# Altium PCB CPU_CARD.pcbdoc (part 7 of 10) (continued)
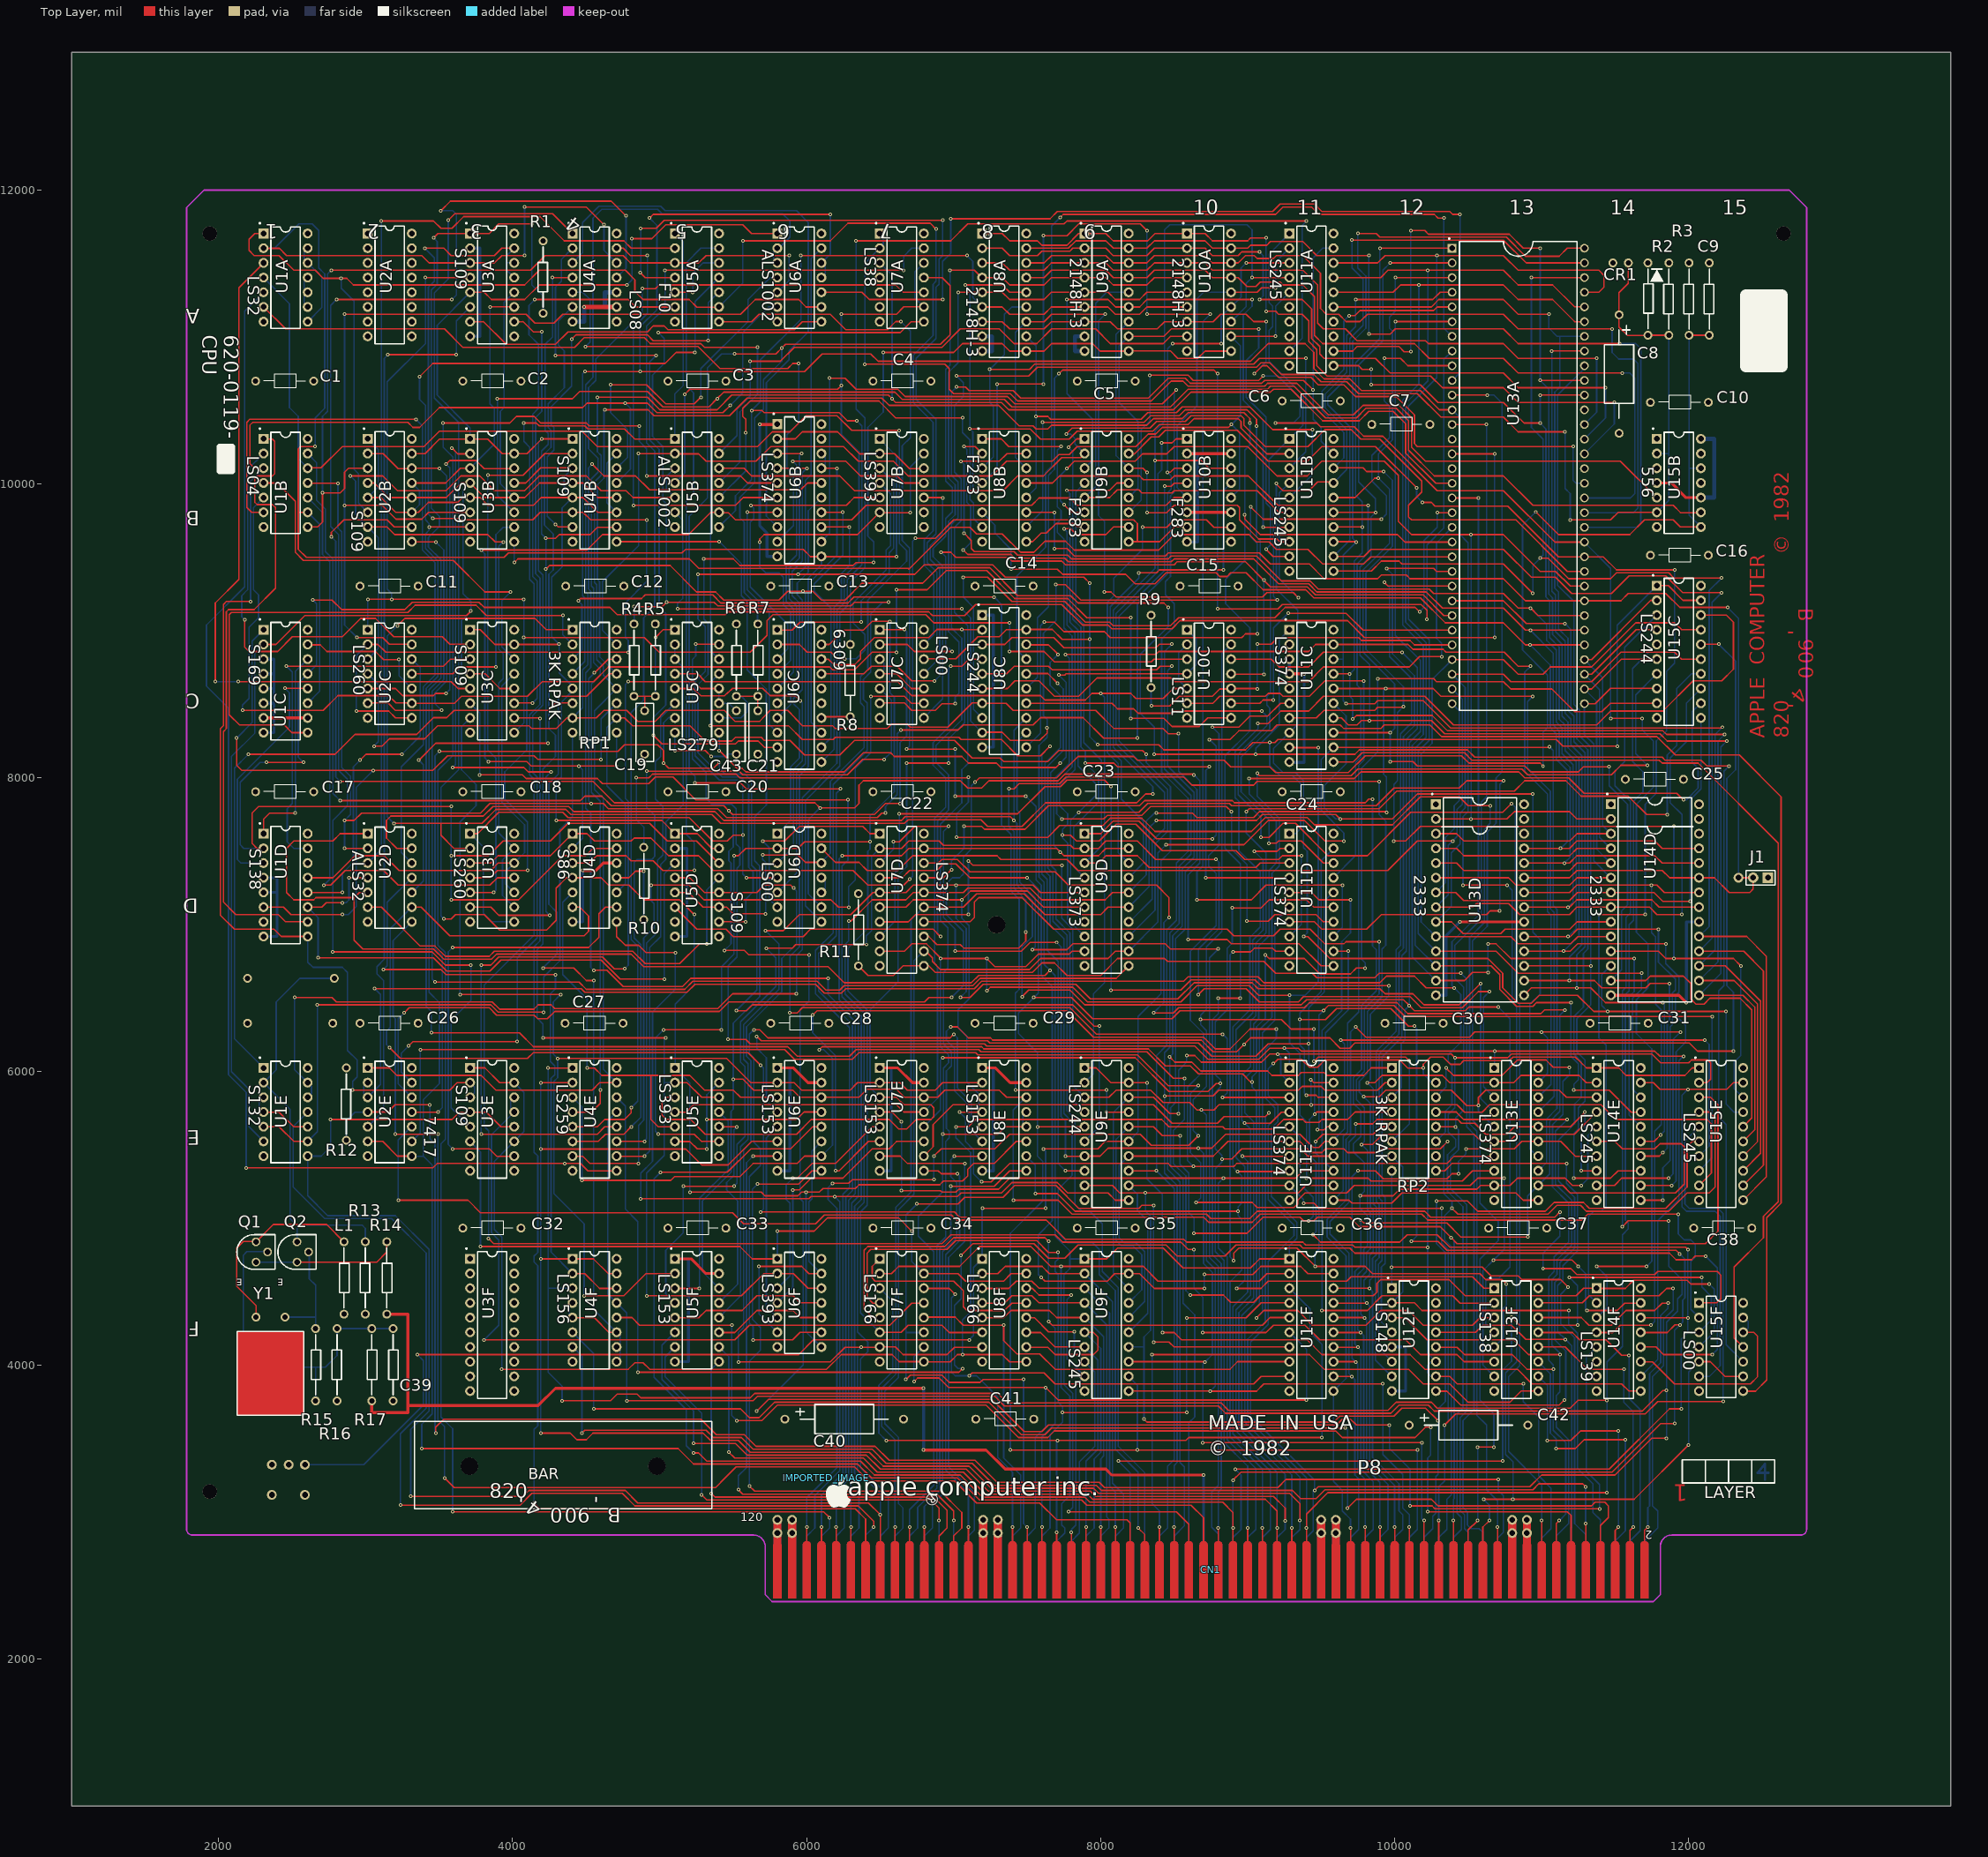
[diagram p0: Top Layer view]
## Nets (pads, with @x,y where several pads share a name; then routed paths per layer and width w, separated by ;. In a path a pad name is that pad's centre, name@x,y a point inside that pad or via, vN(x,y) a via of type N, cw(c..) or ccw(c..) an arc to the next point about the centre after c; other vN are vias at no path point) (continued)
  Bottom Layer w10: v1(6646.7,5187.2) v1(6646.7,5657.2) ; v1(8836.7,5272.2) 8801.7,5237.2 8801.7,4797.2 8861.7,4737.2 8861.7,3492.2 9056.7,3297.2 9056.7,2882.2 9001.92,2827.42 9001.92,2607.2 ; U11E.13@9585.62,5322.8 9531.7,5376.7 9531.7,6262.2 9686.7,6417.2 v1(9686.7,6817.2)
A10: CN1.56 U7E.12 U11D.15 U11E.14 | length 8781.5
  Top Layer w10: v1(6926.7,6092.2) 8236.7,6092.2 8466.7,5862.2 8731.7,5862.2 8786.7,5917.2 v1(8816.7,5917.2) ; v1(8826.7,5402.2) 8891.7,5402.2 8961.7,5472.2 9361.7,5472.2 9411.1,5422.8 U11E.14@9585.62,5422.8 ; v1(8896.7,7112.2) 9091.7,7112.2 9146.7,7167.2 9401.79,7167.2 9451.7,7117.29 U11D.15@9585.62,7117.29 ; v1(9001.7,2892.2) 9001.92,2891.98 9001.92,2607.2
  Bottom Layer w10: U7E.12@6798.23,5622.81 6911.7,5736.27 6911.7,6077.2 v1(6926.7,6092.2) ; v1(8896.7,7112.2) 8896.7,6872.2 8861.7,6837.2 8861.7,6417.2 8781.7,6337.2 8781.7,5977.2 8816.7,5942.2 v1(8816.7,5917.2) 8816.7,5892.2 8781.7,5857.2 8781.7,5472.2 8826.7,5427.2 v1(8826.7,5402.2) 8826.7,5382.2 8781.7,5337.2 8781.7,4772.2 8841.7,4712.2 8841.7,3472.2 9001.7,3312.2 v1(9001.7,2892.2)
A11: CN1.57 U6E.4 U11D.16 U11E.17 U14F.14 | length 15000.7
  Top Layer w10: v1(5661.7,6237.2) 5691.7,6207.2 7231.7,6207.2 7246.7,6192.2 8666.7,6192.2 8756.7,6102.2 9056.7,6102.2 9141.7,6187.2 v1(9416.7,6187.2) ; v1(8916.7,3292.2) 11461.7,3292.2 11871.7,3702.2 v1(11951.7,3702.2) ; v1(9446.7,4887.2) 9496.7,4837.2 10036.7,4837.2 10086.7,4887.2 10291.7,4887.2 10376.7,4802.2 11981.7,4802.2 v1(11996.7,4787.2) ; v1(9456.7,5707.2) 9472.3,5722.8 U11E.17@9585.62,5722.8 ; U14F.14@11676.17,4323.6 11677.57,4322.2 v1(11996.7,4322.2)
  Bottom Layer w10: v1(5661.7,6237.2) 5661.7,6157.2 5726.7,6092.2 5726.7,5797.5 U6E.4@5801.38,5722.81 ; 8901.91,2607.2 8901.91,2827.41 8956.7,2882.2 8956.7,3252.2 v1(8916.7,3292.2) ; v1(9446.7,4887.2) 9466.7,4907.2 9466.7,5382.2 9421.7,5427.2 9421.7,5672.2 v1(9456.7,5707.2) 9456.7,6017.2 9416.7,6057.2 v1(9416.7,6187.2) 9416.7,6432.2 9521.7,6537.2 9521.7,7157.2 9581.79,7217.29 U11D.16@9585.62,7217.29 ; v1(11951.7,3702.2) 11951.7,4177.2 11996.7,4222.2 v1(11996.7,4322.2) v1(11996.7,4787.2)
A12: CN1.58 U6E.12 U11D.19 U11E.18 U14F.13 | length 18664.7
  Top Layer w10: v1(5006.7,5312.2) 5461.7,5312.2 5621.7,5472.2 5891.7,5472.2 6042.3,5622.8 U6E.12@6101.38,5622.81 ; v1(5231.7,3402.2) 5266.7,3402.2 5321.7,3347.2 6366.7,3347.2 6461.7,3252.2 7046.7,3252.2 7196.7,3102.2 7891.7,3102.2 7926.7,3067.2 8831.7,3067.2 8901.7,2997.2 v1(8901.7,2892.2) 8901.91,2891.99 8901.91,2607.2 ; v1@8906.7,3217.2 v1(8901.7,3217.2) 8956.7,3272.2 11481.7,3272.2 11811.7,3602.2 v1(11906.7,3602.2) ; v1(9356.7,6352.2) 9531.7,6352.2 9606.7,6427.2 9976.7,6427.2 10096.7,6307.2 v1(10136.7,6307.2) ; v1(9401.7,5837.2) 9466.7,5837.2 9481.7,5822.2 U11E.18@9585.62,5822.8 ; v1(10116.7,4842.2) 10296.7,4842.2 10356.7,4782.2 11916.7,4782.2 v1(11941.7,4757.2) ; U14F.13@11676.17,4223.6 11677.57,4222.2 11856.7,4222.2 11908.71,4274.21 v1(11943.71,4274.21)
  Bottom Layer w10: v1(5006.7,5312.2) 4961.7,5267.2 4961.7,3917.2 5181.7,3697.2 5181.7,3452.2 v1(5231.7,3402.2) ; v1(8901.7,2892.2) v1(8901.7,3217.2) ; v1(9401.7,5837.2) 9386.7,5852.2 9386.7,6147.2 9356.7,6177.2 v1(9356.7,6352.2) 9356.7,6397.2 9501.7,6542.2 9501.7,7433.4 U11D.19@9585.62,7517.29 ; v1(10116.7,4842.2) 10151.7,4877.2 10151.7,6292.2 v1(10136.7,6307.2) ; v1(11906.7,3602.2) 11906.7,4237.2 v1(11943.71,4274.21) 11961.7,4292.2 11961.7,4442.2 11976.7,4457.2 11976.7,4722.2 v1(11941.7,4757.2)
A13: U5F.4 U7D.2 U9D.2 U13E.3 | length 10667.1
  Top Layer w10: v1(5161.7,5217.2) v1(5506.7,5217.2) ; v1(5726.7,6837.2) 5901.7,6837.2 5926.7,6862.2 v1(6406.7,6862.2) ; U7D.2@6498.23,7517.29 6646.7,7517.3 6696.6,7567.2 6901.7,7567.2 6931.7,7537.2 7796.7,7537.2 7816.7,7517.2 U9D.2@7891.92,7517.29 7986.7,7517.3 8036.6,7567.2 8251.7,7567.2 8376.7,7442.2 v1(8786.7,7442.2) ; v1(8666.7,6522.2) 8706.7,6562.2 8991.7,6562.2 9081.7,6472.2 9346.7,6472.2 9381.7,6507.2 10106.7,6507.2 10181.7,6432.2 10461.7,6432.2 10571.7,6542.2 v1(10646.7,6542.2)
  Bottom Layer w10: U5F.4@5104.53,4423.6 5041.7,4486.4 5041.7,4782.2 5161.7,4902.2 v1(5161.7,5217.2) ; v1(5506.7,5217.2) 5526.7,5237.2 5526.7,5502.2 5581.7,5557.2 5581.7,6032.2 5551.7,6062.2 5551.7,6337.2 5791.7,6577.2 5791.7,6772.2 v1(5726.7,6837.2) ; v1(6406.7,6862.2) 6406.7,6922.2 6441.7,6957.2 6441.7,7460.76 U7D.2@6498.23,7517.29 ; v1(8666.7,6522.2) 8666.7,6832.2 8806.7,6972.2 8806.7,7422.2 v1(8786.7,7442.2) ; v1(10646.7,6542.2) 10606.7,6502.2 10606.7,5895.4 U13E.3@10679.32,5822.8
A14: U5F.12 U7D.5 U9D.5 U13E.4 | length 10693.1
  Top Layer w10: v1(5721.7,6957.2) 5841.7,6957.2 5951.7,7067.2 6301.61,7067.2 6451.7,7217.29 U7D.5@6498.23,7217.29 ; U7D.5@6498.23,7217.29 6676.8,7217.3 6726.7,7267.2 v1(7017.8,7267.2) 7541.7,7267.2 7591.6,7217.3 U9D.5@7891.92,7217.29 ; v1(7046.7,6502.2) 7111.7,6502.2 7201.7,6592.2 7831.7,6592.2 7931.7,6492.2 8526.7,6492.2 8636.7,6602.2 9031.7,6602.2 9071.7,6562.2 9901.7,6562.2 9936.7,6527.2 10126.7,6527.2 10201.7,6452.2 10441.7,6452.2 v1(10586.7,6597.2)
  Bottom Layer w10: U5F.12@5404.53,4323.6 5551.7,4470.7 5551.7,5487.2 5601.7,5537.2 5601.7,6052.2 5571.7,6082.2 5571.7,6317.2 5811.7,6557.2 5811.7,6867.2 v1(5721.7,6957.2) ; v1(7017.8,7267.2) 7017.8,7041.1 7086.7,6972.2 7086.7,6542.2 v1(7046.7,6502.2) ; v1(10586.7,6597.2) 10586.7,6442.2 10586.7,5815.43 U13E.4@10679.32,5722.8
A15: U7D.6 U8E.3 U8E.4 U9D.6 U11C.6 U13E.7 | length 11156.8
  Top Layer w10: U7D.6@6498.23,7117.29 6676.8,7117.3 6726.7,7167.2 v1(7056.7,7167.2) 7116.7,7227.2 7501.7,7227.2 7611.6,7117.3 U9D.6@7891.92,7117.29 ; v1(7041.7,5722.2) U8E.4@7195.08,5722.81 ; v1(7191.7,5247.2) 7256.7,5247.2 7381.7,5372.2 8461.7,5372.2 8481.7,5352.2 v1(8631.7,5352.2) 8906.7,5352.2 8926.7,5372.2 10356.7,5372.2 10406.7,5422.2 U13E.7@10679.32,5422.8 ; v1(8761.7,8342.2) 8941.7,8342.2 9016.7,8417.2 9041.7,8417.2 9136.7,8417.2 9224.58,8505.08 U11C.6@9285.62,8505.08
  Bottom Layer w10: v1(7041.7,5722.2) 7081.7,5682.2 7081.7,5522.2 7136.7,5467.2 7136.7,5302.2 v1(7191.7,5247.2) ; v1(7056.7,7167.2) 7056.7,7042.2 7106.7,6992.2 7106.7,6492.2 7031.7,6417.2 7031.7,6297.2 7091.7,6237.2 7091.7,5926.2 U8E.3@7195.08,5822.81 7171.7,5799.41 7171.7,5747.2 7195.09,5723.81 U8E.4@7195.08,5722.81 ; v1(8631.7,5352.2) 8591.7,5392.2 8591.7,5892.2 8701.7,6002.2 8701.7,6257.2 8611.7,6347.2 8611.7,6817.2 8786.7,6992.2 8786.7,7347.2 8736.7,7397.2 8736.7,7467.2 8806.7,7537.2 8806.7,8297.2 v1(8761.7,8342.2)
A16: CN1.102 U7D.9 U8E.12 U8E.13 U9D.9 U11C.9 U13E.8 | length 13652.3
  Top Layer w10: U7D.9@6498.23,6817.29 6666.7,6817.2 6716.7,6867.2 6816.7,6867.2 6911.7,6772.2 v1(6911.7,6767.2) v1(7226.7,6767.2) 7281.7,6712.2 7491.7,6712.2 7576.7,6797.2 7786.7,6797.2 7806.7,6817.2 U9D.9@7891.92,6817.29 ; 6701.67,2607.2 v1(6701.7,2897.2) ; v1(6926.7,5572.2) 7301.7,5572.2 7351.7,5622.2 U8E.12@7495.08,5622.81 ; v1(7226.7,6547.2) 7251.7,6572.2 7811.7,6572.2 7911.7,6472.2 8546.7,6472.2 8656.7,6582.2 9011.7,6582.2 9076.7,6517.2 v1(9286.7,6517.2) ; U11C.9@9285.62,8205.08 9288.5,8202.2 v1(9481.7,8202.2) ; v1(9401.7,5272.2) 9821.7,5272.2 9841.7,5252.2 10461.7,5252.2 10531.7,5322.2 U13E.8@10679.32,5322.8
  Bottom Layer w10: v1(6701.7,2897.2) 6701.7,3017.2 6866.7,3182.2 6866.7,4772.2 6761.7,4877.2 6761.7,5012.2 6926.7,5177.2 v1(6926.7,5572.2) 6931.7,5572.2 6931.7,6022.2 6966.7,6057.2 6966.7,6112.2 6911.7,6167.2 v1(6911.7,6767.2) ; v1(7226.7,6547.2) v1(7226.7,6767.2) ; U8E.12@7495.08,5622.81 7495.09,5623.81 7471.7,5647.2 7471.7,5699.41 U8E.13@7495.08,5722.81 ; v1(9401.7,5272.2) 9401.7,5657.2 9356.7,5702.2 9356.7,6122.2 9286.7,6192.2 v1(9286.7,6517.2) 9391.7,6517.2 9481.7,6607.2 v1(9481.7,8202.2)
A17: CN1.103 U7D.12 U9D.12 U11C.12 U13E.13 | length 13241.3
  Top Layer w10: U7D.12@6798.23,6817.29 6811.6,6817.3 6856.7,6772.2 6856.7,6747.2 6911.7,6692.2 7516.7,6692.2 7591.7,6767.2 8051.6,6767.2 8101.7,6817.3 U9D.12@8191.92,6817.29 ; v1(8446.7,7542.2) 8976.7,7542.2 9141.7,7707.2 9386.7,7707.2 9526.7,7567.2 v1(9656.7,7567.2) ; U11C.12@9585.62,8205.08 11054.6,8205.1 v1(11056.7,8207.2)
  Bottom Layer w10: 6601.66,2607.2 6601.66,2837.16 6656.7,2892.2 6656.7,3027.2 6626.7,3057.2 6626.7,3507.2 6531.7,3602.2 6531.7,3822.2 6626.7,3917.2 6626.7,5057.2 6731.7,5162.2 6731.7,6752.2 6796.8,6817.3 U7D.12@6798.23,6817.29 ; U9D.12@8191.92,6817.29 8391.7,7017.1 8391.7,7487.2 v1(8446.7,7542.2) ; U11C.12@9585.62,8205.08 9501.7,8121.2 9501.7,7777.2 9656.7,7622.2 v1(9656.7,7567.2) ; U13E.13@10979.32,5322.8 11036.7,5380.2 11036.7,5677.2 11106.7,5747.2 11106.7,7102.2 11081.7,7127.2 11081.7,8182.2 v1(11056.7,8207.2)
A18: CN1.104 U7D.15 U9D.15 U11C.15 U13E.14 | length 12995.3
  Top Layer w10: 6601.66,2607.2 v1(6601.7,2897.2) v1(6601.7,2897.2) ; U7D.15@6798.23,7117.29 7066.8,7117.3 7156.7,7207.2 7481.7,7207.2 7621.7,7067.2 8001.7,7067.2 8051.8,7117.3 U9D.15@8191.92,7117.29 ; v1(8381.7,7707.2) 9061.7,7707.2 9101.7,7747.2 9601.7,7747.2 v1(9631.7,7717.2) 9986.7,7717.2 10156.7,7887.2 v1(10941.7,7887.2)
  Bottom Layer w10: v1(6601.7,2897.2) 6601.7,3492.2 6511.7,3582.2 6511.7,3842.2 6606.7,3937.2 6606.7,5072.2 6711.7,5177.2 6711.7,7030.8 U7D.15@6798.23,7117.29 ; U9D.15@8191.92,7117.29 8331.7,7257.1 8331.7,7657.2 v1(8381.7,7707.2) ; U11C.15@9585.62,8505.08 9671.7,8419 9671.7,8092.2 9521.7,7942.2 9521.7,7797.2 9601.7,7717.2 v1(9631.7,7717.2) ; v1(10941.7,7887.2) 10941.7,6947.2 10991.7,6897.2 10991.7,6527.2 10921.7,6457.2 10921.7,5472.21 10971.11,5422.8 U13E.14@10979.32,5422.8
A19: CN1.105 U7D.16 U9D.16 U11C.16 U13E.17 | length 14196.6
  Top Layer w10: v1(6286.7,7022.2) 6301.7,7022.2 6446.7,7167.2 6676.7,7167.2 6726.8,7217.3 ; U9D.16@8191.92,7217.29 8081.7,7217.2 8031.7,7167.2 7601.7,7167.2 7521.7,7247.2 7096.7,7247.2 7066.8,7217.3 U7D.16@6798.23,7217.29 ; v1(8381.7,7757.2) 8626.7,7757.2 8656.7,7727.2 9041.7,7727.2 9081.7,7767.2 9946.7,7767.2 v1(9946.7,7762.2) ; U11C.16@9585.62,8605.08 v1(9942.14,8605.08) 10263.82,8605.08 10316.7,8552.2 v1(10941.7,8552.2) ; 6726.8,7217.3 U7D.16@6798.23,7217.29 ; 6726.8,7217.3 U7D.16@6798.23,7217.29
  Bottom Layer w10: v1(6286.7,7022.2) 6286.7,6887.2 6262.8,6863.3 6262.8,6526.1 6391.7,6397.2 6391.7,5107.2 6346.7,5062.2 6346.7,4227.2 6416.7,4157.2 6416.7,4092.2 6366.7,4042.2 6366.7,3302.2 6556.7,3112.2 6556.7,2892.2 6501.65,2837.15 CN1.105@6501.59,2607.24 ; U9D.16@8191.92,7217.29 8311.7,7337.07 8311.7,7702.2 8366.7,7757.2 v1(8381.7,7757.2) ; v1(9942.14,8605.08) 9926.7,8589.7 9926.7,8022.2 9946.7,8002.2 v1(9946.7,7762.2) ; v1(10941.7,8552.2) 10906.7,8517.2 10906.7,8062.2 11061.7,7907.2 11061.7,7107.2 11086.7,7082.2 11086.7,5830.2 U13E.17@10979.32,5722.8
A20: CN1.110 U7D.19 U9D.19 U11C.19 U13E.18 | length 15137.6
  Top Layer w10: v1(6241.7,7467.2) 6646.61,7467.2 6696.7,7517.29 U7D.19@6798.23,7517.29 ; CN1.110@6301.58,2607.21 6301.62,2897.12 v1(6301.7,2897.2) ; U7D.19@6798.2,7517.2 7701.7,7517.2 v1(7726.7,7492.2) 7751.7,7467.2 7986.7,7467.2 8036.8,7517.3 U9D.19@8191.92,7517.29 ; v1(7761.7,8837.2) 8376.7,8837.2 8396.7,8857.2 9416.7,8857.2 ; 9156.7,8857.2 9416.7,8857.2 ; v1(10926.7,8757.2) 10841.7,8757.2 10746.7,8852.2 10351.7,8852.2 10331.7,8872.2 10126.7,8872.2 10093.82,8905.08 U11C.19@9585.62,8905.08 ; 9416.7,8857.2 9464.6,8905.1 ; 9416.7,8857.2 9464.6,8905.1 ; 9464.6,8905.1 U11C.19@9585.62,8905.08 ; 9464.6,8905.1 U11C.19@9585.62,8905.08
  Bottom Layer w10: v1(6241.7,7467.2) 6221.7,7447.2 6221.7,6487.2 6351.7,6357.2 6351.7,5147.2 6306.7,5102.2 6306.7,3202.2 6301.7,3197.2 v1(6301.7,2897.2) ; v1(7726.7,7492.2) 7681.7,7537.2 7681.7,7987.2 7786.7,8092.2 7786.7,8812.2 v1(7761.7,8837.2) ; v1(10926.7,8757.2) 10886.7,8717.2 10886.7,8042.2 11041.7,7887.2 11041.7,7087.2 11066.7,7062.2 11066.7,5910.2 U13E.18@10979.32,5822.8
AS: U2B.15 U2E.13 U3A.5 U3B.1 U3B.15 U4B.1 U6A.1 | length 10186.3
  Top Layer w10: v1(3291.7,6172.2) 3321.7,6202.2 v1(4031.7,6202.2) ; U2B.15@3313.99,10204.29 3403.78,10204.29 3501.7,10302.2 3708.73,10302.2 U3B.1@3710.83,10304.3 3712.92,10302.2 3831.7,10302.2 3929.6,10204.3 U3B.15@4010.83,10204.3 ; U3A.5@3710.83,11301.93 3806.7,11302.2 3856.7,11252.2 4081.7,11252.2 4181.7,11352.2 v1(4776.7,11352.2) ; U3B.15@4010.83,10204.3 4098.8,10204.3 v1(4198.8,10304.3) U4B.1@4407.68,10304.3 ; v1(4811.7,11667.2) 4946.7,11667.2 5041.7,11762.2 5566.7,11762.2 5626.98,11701.92 U6A.1@5801.38,11701.92
  Bottom Layer w10: v1(3291.7,6172.2) 3241.7,6122.2 3241.7,5995.1 U2E.13@3313.98,5922.8 ; U3B.1@3710.83,10304.3 3710.8,10378.1 3486.7,10602.2 3486.7,11077.8 U3A.5@3710.83,11301.93 ; v1(4031.7,6202.2) 4031.7,6772.2 4166.7,6907.2 4166.7,8002.2 4136.7,8032.2 4136.7,8422.2 4206.7,8492.2 4206.7,9377.2 4176.7,9407.2 4176.7,10282.2 v1(4198.8,10304.3) ; v1(4776.7,11352.2) 4811.7,11387.2 v1(4811.7,11667.2)
B+/L: U5B.8 U6D.8 U8A.6 U9A.6 U10A.6 | length 9451.2
  Top Layer w10: v1(5626.7,10497.2) 5696.7,10497.2 5711.7,10482.2 6221.7,10482.2 6276.7,10427.2 v1(6341.7,10427.2) ; v1(5961.7,11552.2) v1(7091.7,11552.2) ; U8A.6@7195.07,11201.92 7332,11201.9 7381.7,11152.2 7616.7,11152.2 7666.4,11201.9 U9A.6@7891.92,11201.92 8052,11201.9 8101.7,11152.2 8266.7,11152.2 8316.4,11201.9 U10A.6@8588.77,11201.92
  Bottom Layer w10: U5B.8@5404.53,9704.29 5516.7,9816.46 5516.7,9917.2 5626.7,10027.2 v1(5626.7,10497.2) 5686.7,10557.2 5686.7,10842.2 5961.7,11117.2 v1(5961.7,11552.2) ; U6D.8@6101.38,7017.29 5991.7,7127 5991.7,7842.2 6226.7,8077.2 6226.7,9117.2 6276.7,9167.2 6276.7,9347.2 6376.7,9447.2 6376.7,10392.2 v1(6341.7,10427.2) ; v1(7091.7,11552.2) 7131.7,11512.2 7131.7,11265.3 U8A.6@7195.07,11201.92
BD0: CN1.27 U9E.18 U9F.18 U11E.2 U15E.2 | length 9927.4
  Top Layer w10: U9E.18@8191.92,5822.8 8361.1,5822.8 8471.7,5712.2 v1(8531.7,5712.2) ; v1(8586.7,6107.2) 8641.7,6107.2 8686.7,6062.2 9096.7,6062.2 9151.7,6117.2 v1(9206.7,6117.2) 10386.7,6117.2 v1(10411.7,6092.2) 10771.7,6092.2 10796.7,6117.2 11751.7,6117.2 11811.7,6057.2 12001.7,6057.2 12021.7,6077.2 12131.7,6077.2 12151.7,6057.2 12151.7,5947.2 12127.3,5922.8 U15E.2@12073.02,5922.8
  Bottom Layer w10: U9F.18@8191.92,4523.59 8190.3,4523.6 8086.7,4627.2 8086.7,5717.6 U9E.18@8191.92,5822.8 ; v1(8531.7,5712.2) 8531.7,6007.2 8586.7,6062.2 v1(8586.7,6107.2) ; v1(9206.7,6117.2) 9226.7,6097.2 9226.7,5981.72 U11E.2@9285.62,5922.8 ; 10402.06,2607.2 10402.06,2827.56 10456.7,2882.2 10456.7,2962.2 10426.7,2992.2 10426.7,3667.2 10466.7,3707.2 10466.7,5077.2 10361.7,5182.2 10361.7,5432.2 10416.7,5487.2 10416.7,5537.2 10366.7,5587.2 10366.7,5707.2 10411.7,5752.2 v1(10411.7,6092.2)
BD1: CN1.28 U9E.16 U9F.17 U11E.5 U15E.3 | length 10210.9
  Top Layer w10: U9E.16@8191.92,5622.8 8361.1,5622.8 8421.7,5562.2 v1(8541.7,5562.2) ; v1(8636.7,4897.2) 8996.7,4897.2 9106.7,5007.2 9356.7,5007.2 9381.7,4982.2 v1(9416.7,4982.2) 9451.7,4982.2 9476.7,5007.2 9696.7,5007.2 9761.7,4942.2 10311.7,4942.2 v1(10386.7,4867.2) 10426.7,4827.2 12116.7,4827.2 12201.7,4912.2 12201.7,5772.2 12151.7,5822.2 U15E.3@12073.02,5822.8 ; v1(10401.7,2942.2) 10402.06,2941.84 10402.06,2607.2
  Bottom Layer w10: U9F.17@8191.92,4423.59 8281.7,4513.4 8281.7,4752.2 8221.7,4812.2 8141.7,4812.2 8106.7,4847.2 8106.7,5537.2 U9E.16@8191.92,5622.8 ; v1(8541.7,5562.2) 8541.7,5367.2 8601.7,5307.2 8601.7,5037.2 8636.7,5002.2 v1(8636.7,4897.2) ; U11E.5@9285.62,5622.8 9356.7,5551.72 9356.7,5232.2 9446.7,5142.2 9446.7,5012.2 v1(9416.7,4982.2) ; v1(10386.7,4867.2) 10406.7,4847.2 10406.7,3092.2 10401.7,3087.2 v1(10401.7,2942.2)
BD2: CN1.29 U9E.14 U9F.16 U11E.6 U15E.4 | length 9119.5
  Top Layer w10: U9E.14@8191.92,5422.8 8767.3,5422.8 8867.3,5522.8 U11E.6@9285.62,5522.8 9356.7,5522.2 9431.7,5447.2 9506.7,5447.2 9531.7,5472.2 9656.7,5472.2 9681.7,5447.2 9876.7,5447.2 9901.7,5472.2 10311.7,5472.2 v1(10361.7,5522.2) ; v1(10391.7,5067.2) 10431.7,5027.2 11046.7,5027.2 11106.7,5087.2 11266.7,5087.2 11306.7,5047.2 11866.7,5047.2 11991.7,5172.2 12141.7,5172.2 12181.7,5212.2 12181.7,5682.2 12141.1,5722.8 U15E.4@12073.02,5722.8
  Bottom Layer w10: U9F.16@8191.92,4323.59 8301.7,4433.4 8301.7,4772.2 8241.7,4832.2 8161.7,4832.2 8126.7,4867.2 8126.7,5357.6 U9E.14@8191.92,5422.8 ; CN1.29@10302,2607.24 10302.05,2827.55 10356.7,2882.2 10356.7,3087.2 10386.7,3117.2 10386.7,4807.2 10341.7,4852.2 10341.7,5017.2 v1(10391.7,5067.2) 10391.7,5112.2 10336.7,5167.2 10336.7,5497.2 v1(10361.7,5522.2)
BD3: CN1.30 U9E.12 U9F.15 U11E.9 U15E.5 | length 9914.7
  Top Layer w10: U9E.12@8191.92,5222.8 U11E.9@9285.62,5222.8 ; v1(9381.7,5102.2) 9451.7,5102.2 9486.7,5067.2 10216.7,5067.2 v1(10321.7,5067.2) ; v1(10301.7,2942.2) 10302.05,2941.85 10302.05,2607.2 ; v1(10341.7,3592.2) 10416.7,3667.2 11706.7,3667.2 11791.7,3752.2 v1(12236.7,3752.2)
  Bottom Layer w10: U9F.15@8191.92,4223.59 8321.7,4353.4 8321.7,4982.2 8251.7,5052.2 8251.7,5163 U9E.12@8191.92,5222.8 ; U11E.9@9285.62,5222.8 9381.7,5126.7 v1(9381.7,5102.2) ; v1(10301.7,2942.2) 10301.7,3172.2 10341.7,3212.2 v1(10341.7,3592.2) 10366.7,3617.2 10366.7,4787.2 10321.7,4832.2 v1(10321.7,5067.2) ; U15E.5@12073.02,5622.8 11976.7,5526.5 11976.7,5097.2 12006.7,5067.2 12201.7,5067.2 12236.7,5032.2 v1(12236.7,3752.2)
BD4: CN1.31 U9E.9 U9F.14 U11E.12 U15E.6 | length 10297.4
  Top Layer w10: U9E.9@7891.92,5222.8 8081.1,5222.8 8131.7,5172.2 v1(8306.7,5172.2) 9346.7,5172.2 9397.3,5222.8 U11E.12@9585.62,5222.8 ; v1(8296.7,3632.2) 8316.7,3612.2 9586.7,3612.2 9627.6,3653.1 9997.6,3653.1 10051.7,3707.2 10211.7,3707.2 v1(10296.7,3622.2) ; v1(10286.7,5117.2) 10496.7,5117.2 10566.7,5047.2 11026.7,5047.2 11086.7,5107.2 11286.7,5107.2 11326.7,5067.2 11846.7,5067.2 11991.7,5212.2 11991.7,5487.2 12026.7,5522.2 U15E.6@12073.02,5522.8
  Bottom Layer w10: U9F.14@8191.92,4123.59 8296.7,4123.59 ; v1(8296.7,3632.2) 8296.7,4192.2 8341.7,4237.2 8341.7,5012.2 8306.7,5047.2 v1(8306.7,5172.2) ; CN1.31@10201.98,2607.25 10202,2827.5 10261.7,2887.2 10261.7,2972.2 10281.7,2992.2 10281.7,3242.2 10296.7,3257.2 v1(10296.7,3622.2) 10296.7,3702.2 10346.7,3752.2 10346.7,4767.2 10286.7,4827.2 v1(10286.7,5117.2)
BD5: CN1.32 U7D.3 U9E.7 U9F.13 U11E.15 U15E.7 | length 14624.1
  Top Layer w10: v1(6591.7,7562.2) 6631.7,7562.2 6736.7,7667.2 v1(6966.7,7667.2) ; v1(7011.7,6817.2) 7461.7,6817.2 7521.7,6877.2 v1(7701.7,6877.2) ; v1(7761.7,5422.2) 7891.3,5422.2 U9E.7@7891.92,5422.8 7997.3,5422.8 8051.7,5477.2 v1(8666.7,5477.2) 8756.7,5477.2 8851.7,5572.2 9356.7,5572.2 9446.7,5482.2 9486.7,5482.2 9527.3,5522.8 U11E.15@9585.62,5522.8 ; U9F.13@8191.92,4023.59 8710.31,4023.59 v1(8711.7,4022.2) ; v1(8696.7,3472.2) v1(10186.7,3472.2) ; v1(9636.7,6212.2) v1(12111.7,6212.2) ; v1(10201.7,2942.2) 10202.03,2941.87 CN1.32@10201.98,2607.24
  Bottom Layer w10: U7D.3@6498.23,7417.29 6591.7,7510.76 v1(6591.7,7562.2) ; v1(6966.7,7667.2) 6931.7,7632.2 6931.7,7047.2 7011.7,6967.2 v1(7011.7,6817.2) ; v1(7701.7,6877.2) 7731.7,6847.2 7731.7,5692.2 7761.7,5662.2 v1(7761.7,5422.2) ; v1(8666.7,5477.2) 8701.7,5442.2 8701.7,4692.2 8761.7,4632.2 8761.7,4072.2 v1(8711.7,4022.2) 8696.7,4007.2 v1(8696.7,3472.2) ; U11E.15@9585.62,5522.8 9585.6,5532.8 9661.7,5608.9 9661.7,6187.2 v1(9636.7,6212.2) ; v1(10186.7,3472.2) 10186.7,2957.2 v1(10201.7,2942.2) ; U15E.7@12073.02,5422.8 12141.7,5491.5 12141.7,6182.2 v1(12111.7,6212.2)
BD6: CN1.33 U7D.4 U9E.5 U9F.12 U11E.16 U15E.8 | length 16457.1
  Top Layer w10: U7D.4@6498.23,7317.29 6651.7,7317.2 6701.7,7367.2 6886.7,7367.2 6931.7,7412.2 7016.7,7412.2 7111.7,7317.2 v1(7501.7,7317.2) ; v1(7386.7,3422.2) v1(8251.7,3422.2) 8536.7,3422.2 8876.7,3422.2 v1(10156.7,3422.2) ; v1(7546.7,6502.2) 7801.7,6502.2 7946.7,6357.2 8486.7,6357.2 8541.7,6412.2 v1(9516.7,6412.2) 9551.7,6447.2 9996.7,6447.2 10071.7,6372.2 v1(12161.7,6372.2) ; v1(7571.7,5622.2) U9E.5@7891.92,5622.8 ; v1(9476.7,5602.2) 9521.7,5602.2 9542.3,5622.8 U11E.16@9585.62,5622.8
  Bottom Layer w10: v1(7386.7,3422.2) 7386.7,4897.2 7606.7,5117.2 7606.7,5387.2 7571.7,5422.2 v1(7571.7,5622.2) 7571.7,6127.2 7441.7,6257.2 7441.7,6397.2 v1(7546.7,6502.2) 7576.7,6532.2 7576.7,7242.2 v1(7501.7,7317.2) ; U9F.12@8191.92,3923.59 8251.7,3863.81 v1(8251.7,3422.2) ; v1(9476.7,5602.2) 9486.7,5602.2 9486.7,6382.2 v1(9516.7,6412.2) ; CN1.33@10101.98,2607.25 10102.03,2827.53 10156.7,2882.2 v1(10156.7,3422.2) ; U15E.8@12073.02,5322.8 12161.7,5411.48 v1(12161.7,6372.2)
BD7: CN1.34 U7D.7 U9E.3 U9F.11 U11E.19 U15E.9 | length 13577.7
  Top Layer w10: U7D.7@6498.23,7017.29 6691.79,7017.29 6741.7,7067.2 v1(7101.7,7067.2) ; v1(7101.7,7432.2) 7131.7,7402.2 v1(7736.7,7402.2) ; U9E.3@7891.92,5822.8 8057.3,5822.8 8106.7,5872.2 8341.7,5872.2 8426.7,5787.2 8606.7,5787.2 8656.7,5737.2 v1(8686.7,5737.2) 8771.7,5737.2 8806.7,5772.2 v1(9433.29,5772.2) 10426.7,5772.2 10476.7,5722.2 10596.7,5722.2 10646.7,5772.2 11406.7,5772.2 11506.7,5672.2 12126.7,5672.2 12156.7,5642.2 12156.7,5306.48 U15E.9@12073.02,5222.8 ; U9F.11@8191.92,3823.59 8745.31,3823.59 v1(8746.7,3822.2) 9061.7,3822.2 9111.7,3872.2 v1(9921.7,3872.2) ; v1(9431.7,5942.2) 9451.7,5922.2 U11E.19@9585.62,5922.8 ; v1(10101.7,2897.2) 10102.03,2896.87 CN1.34@10101.98,2607.24
  Bottom Layer w10: v1(7101.7,7067.2) v1(7101.7,7432.2) ; v1(7736.7,7402.2) 7736.7,7042.2 7811.7,6967.2 7811.7,5903 U9E.3@7891.92,5822.8 ; v1(8686.7,5737.2) 8721.7,5702.2 8721.7,4712.2 8781.7,4652.2 8781.7,3857.2 v1(8746.7,3822.2) ; v1(9431.7,5942.2) 9431.7,5775.4 9433.3,5773.8 v1(9433.29,5772.2) ; v1(9921.7,3872.2) 9921.7,3392.2 10056.7,3257.2 10056.7,3027.2 10101.7,2982.2 v1(10101.7,2897.2)
BD8: CN1.35 U7D.8 U11F.18 U13E.2 U14E.2 | length 11847.8
  Top Layer w10: v1(6631.7,7752.2) 7436.7,7752.2 7621.7,7937.2 7726.7,7937.2 7771.7,7982.2 8026.7,7982.2 v1(8071.7,7937.2) ; v1(8071.7,6552.2) 8546.7,6552.2 8616.7,6622.2 9051.7,6622.2 9091.7,6582.2 v1(9961.7,6582.2) ; U11F.18@9585.62,4523.59 9830.31,4523.6 v1(9831.7,4522.2) ; v1(9816.7,5922.2) 9866.7,5922.2 9916.7,5972.2 10326.7,5972.2 10376.7,5922.2 U13E.2@10679.32,5922.8 10812.3,5922.8 10861.7,5972.2 11256.7,5972.2 11306.7,5922.2 U14E.2@11376.17,5922.8
  Bottom Layer w10: U7D.8@6498.23,6917.29 6601.7,7020.8 6601.7,7352.2 6631.7,7382.2 v1(6631.7,7752.2) ; v1(8071.7,6552.2) 8071.7,7262.2 v1(8071.7,7937.2) ; v1(9961.7,6582.2) 9961.7,6512.2 9836.7,6387.2 9836.7,5942.2 v1(9816.7,5922.2) 9856.7,5882.2 9856.7,5097.2 9876.7,5077.2 9876.7,4752.2 9851.7,4727.2 9851.7,4597.2 9831.7,4577.2 v1(9831.7,4522.2) 9851.7,4502.2 9851.7,3372.2 10031.7,3192.2 10031.7,3007.2 10056.7,2982.2 10056.7,2882.2 10002.02,2827.52 CN1.35@10001.97,2607.25
BD9: CN1.36 U7D.13 U11F.17 U13E.5 U14E.3 | length 12185.4
  Top Layer w10: U7D.13@6798.23,6917.29 6831.6,6917.3 6886.7,6862.2 7046.7,6862.2 7071.7,6837.2 7441.7,6837.2 7491.7,6887.2 v1(7491.7,6947.2) ; v1(7376.7,7922.2) 7411.7,7922.2 7446.7,7957.2 7721.7,7957.2 7766.7,8002.2 8566.7,8002.2 8621.7,7947.2 9041.7,7947.2 9066.7,7972.2 v1(9896.7,7972.2) ; U11F.17@9585.62,4423.59 9587.01,4422.2 v1(9811.7,4422.2) ; v1(9791.7,5827.2) 9896.7,5827.2 9941.7,5872.2 10386.7,5872.2 10491.7,5767.2 v1(10571.7,5767.2) 10571.7,5822.2 10576.7,5827.2 10621.7,5872.2 11121.7,5872.2 11171.1,5822.8 U14E.3@11376.17,5822.8 ; v1(10001.7,2897.2) 10002.01,2896.89 CN1.36@10001.97,2607.24
  Bottom Layer w10: v1(7376.7,7922.2) 7376.7,7667.2 7411.7,7632.2 7411.7,7247.2 7491.7,7167.2 v1(7491.7,6947.2) ; v1(9896.7,7972.2) 9896.7,7747.2 9941.7,7702.2 9941.7,6857.2 9916.7,6832.2 9916.7,6507.2 9816.7,6407.2 9816.7,5987.2 9761.7,5932.2 9761.7,5857.2 9836.7,5782.2 9836.7,5077.2 9856.7,5057.2 9856.7,4772.2 9831.7,4747.2 9831.7,4617.2 9792.8,4578.3 9792.8,4441.1 v1(9811.7,4422.2) 9831.7,4402.2 9831.7,3352.2 10001.7,3182.2 v1(10001.7,2897.2) ; v1(10571.7,5767.2) 10571.7,5730.43 U13E.5@10679.32,5622.8
BD10: CN1.37 U7D.14 U11F.16 U13E.6 U14E.4 | length 9867.3
  Top Layer w10: U7D.14@6798.23,7017.29 7111.8,7017.3 7141.7,7047.2 7141.7,7152.2 7171.7,7182.2 7466.7,7182.2 7681.7,6967.2 8861.7,6967.2 8906.7,6922.2 9176.7,6922.2 9221.7,6967.2 9426.7,6967.2 9526.7,6867.2 9656.7,6867.2 9671.7,6882.2 v1(9896.7,6882.2) ; U11F.16@9585.62,4323.59 9795.31,4323.6 v1(9796.7,4322.2) ; v1(9776.7,5502.2) 9851.7,5502.2 9921.7,5572.2 10541.7,5572.2 10591.7,5522.2 U13E.6@10679.32,5522.8 10782.3,5522.8 10831.7,5572.2 11225.57,5572.2 U14E.4@11376.17,5722.8
  Bottom Layer w10: v1(9896.7,6882.2) 9896.7,6527.2 9796.7,6427.2 9796.7,5997.2 9741.7,5942.2 9741.7,5807.2 9796.7,5752.2 9796.7,5522.2 v1(9776.7,5502.2) 9816.7,5462.2 9816.7,5057.2 9836.7,5037.2 9836.7,4792.2 9811.7,4767.2 9811.7,4637.2 9771.7,4597.2 9771.7,4347.2 v1(9796.7,4322.2) 9811.7,4307.2 9811.7,3332.2 9956.7,3187.2 9956.7,2882.2 9902.02,2827.52 CN1.37@9901.97,2607.24
BD11: CN1.38 U7D.17 U11F.15 U13E.9 U14E.5 | length 11147.1
  Top Layer w10: U7D.17@6798.23,7317.29 6931.79,7317.29 v1(6986.7,7372.2) ; v1(7071.7,7667.2) 7191.7,7667.2 7211.7,7647.2 7486.7,7647.2 7646.7,7807.2 8266.7,7807.2 8301.7,7842.2 8896.7,7842.2 8911.7,7827.2 9801.7,7827.2 9826.7,7852.2 v1(9851.7,7852.2) ; U11F.15@9585.62,4223.59 9587.01,4222.2 v1(9771.7,4222.2) ; v1(9766.7,5152.2) 9991.7,5152.2 10036.7,5197.2 10561.7,5197.2 10586.7,5222.2 U13E.9@10679.32,5222.8 10787.3,5222.8 10836.7,5272.2 11161.7,5272.2 11211.7,5222.2 v1(11271.7,5222.2) ; v1(9901.7,2897.2) 9902.01,2896.89 CN1.38@9901.97,2607.23
  Bottom Layer w10: v1(6986.7,7372.2) 6986.7,7432.2 7071.7,7517.2 v1(7071.7,7667.2) ; v1(9851.7,7852.2) 9851.7,6852.2 9876.7,6827.2 9876.7,6547.2 9776.7,6447.2 9776.7,6012.2 9721.7,5957.2 9721.7,5782.2 9771.7,5732.2 9771.7,5557.2 9721.7,5507.2 9721.7,5452.2 9796.7,5377.2 9796.7,5182.2 v1(9766.7,5152.2) 9766.7,5067.2 9816.7,5017.2 9816.7,4812.2 9791.7,4787.2 9791.7,4657.2 9751.7,4617.2 9751.7,4242.2 v1(9771.7,4222.2) 9791.7,4202.2 9791.7,3312.2 9901.7,3202.2 v1(9901.7,2897.2) ; v1(11271.7,5222.2) 11316.7,5267.2 11316.7,5563.33 U14E.5@11376.17,5622.8
BD12: CN1.39 U7D.18 U11F.14 U13E.12 U14E.6 | length 12888.6
  Top Layer w10: U7D.18@6798.23,7417.29 6896.8,7417.3 6921.7,7442.2 7026.7,7442.2 7111.7,7357.2 7691.7,7357.2 7781.7,7267.2 8381.7,7267.2 8466.7,7182.2 v1(8466.7,7047.2) ; v1(8361.7,6397.2) 8496.7,6397.2 8531.7,6432.2 9386.7,6432.2 9421.7,6467.2 10016.7,6467.2 10091.7,6392.2 10996.7,6392.2 11021.7,6417.2 v1(11161.7,6417.2) ; U11F.14@9585.62,4123.59 9587,4122.2 v1(9751.7,4122.2) ; v1(9771.7,4987.2) 9791.7,4967.2 10356.7,4967.2 10451.7,4872.2 v1(10906.7,4872.2) ; U13E.12@10979.32,5222.8 11146.1,5222.8 11196.7,5172.2 11911.7,5172.2 11971.7,5232.2 11971.7,5487.2 11951.7,5507.2 11806.7,5507.2 11771.7,5472.2 11551.7,5472.2 11501.7,5522.2 U14E.6@11376.17,5522.8
  Bottom Layer w10: v1(8361.7,6397.2) 8431.7,6467.2 8431.7,7012.2 v1(8466.7,7047.2) ; v1(9771.7,4987.2) 9771.7,4677.2 9731.7,4637.2 9731.7,4142.2 v1(9751.7,4122.2) 9771.7,4102.2 9771.7,3292.2 9856.7,3207.2 9856.7,2882.2 9802,2827.5 9802,2607.2 ; v1(10906.7,4872.2) 10906.7,5150.18 U13E.12@10979.32,5222.8 11056.7,5300.2 11056.7,5657.2 11126.7,5727.2 11126.7,6382.2 v1(11161.7,6417.2)
BD13: CN1.40 U11F.13 U13E.15 U14E.7 | length 4784.9
  Top Layer w10: U11F.13@9585.62,4023.59 9735.31,4023.59 v1(9736.7,4022.2) ; v1(9751.7,5322.2) 9871.7,5322.2 9925.63,5268.27 10357.77,5268.27 10391.7,5302.2 v1(10436.7,5302.2) ; v1(9801.7,2897.2) 9802,2896.91 9802,2607.2 ; v1(10486.7,5472.2) 10816.7,5472.2 10867.3,5522.8 U13E.15@10979.32,5522.8 11131.1,5522.8 11231.7,5422.2 U14E.7@11376.17,5422.8
  Bottom Layer w10: v1(9751.7,5322.2) 9711.7,5282.2 9711.7,4047.2 v1(9736.7,4022.2) 9751.7,4007.2 9751.7,3272.2 9801.7,3222.2 v1(9801.7,2897.2) ; v1(10436.7,5302.2) 10436.7,5387.2 10486.7,5437.2 v1(10486.7,5472.2)
BD14: CN1.41 U11F.12 U13E.16 U14E.8 | length 5528.4
  Top Layer w10: U11F.12@9585.62,3923.59 9587.01,3922.2 v1(9711.7,3922.2) ; v1(9736.7,5642.2) 9851.7,5642.2 9881.7,5672.2 10431.7,5672.2 10456.7,5647.2 10546.7,5647.2 10621.7,5572.2 10766.7,5572.2 10817.3,5622.8 U13E.16@10979.32,5622.8 11197.3,5622.8 v1(11296.7,5722.2) ; v1(11271.7,5322.2) U14E.8@11376.17,5322.8
  Bottom Layer w10: 9702,2607.2 9702,2827.5 9756.7,2882.2 9756.7,3227.2 9731.7,3252.2 9731.7,3902.2 v1(9711.7,3922.2) 9691.7,3942.2 9691.7,4762.2 9561.7,4892.2 9561.7,4977.2 9691.7,5107.2 9691.7,5517.2 9736.7,5562.2 v1(9736.7,5642.2) ; v1(11271.7,5322.2) 11271.7,5567.2 11296.7,5592.2 v1(11296.7,5722.2)